# Altium PCB LimeSDR-XTRX_1v1.PcbDoc (part 7 of 8)
Units mm, origin at the board's own origin, x right, y up, seen from the top; angles counter-clockwise.
Board outline 50.8 x 29.7 mm, 8 copper layers (Top, L2, L3, L4, L5, L6, L7, Bottom), stack 0.925 mm thick; 536 components, 379 nets, 2133 pads, 899 vias.
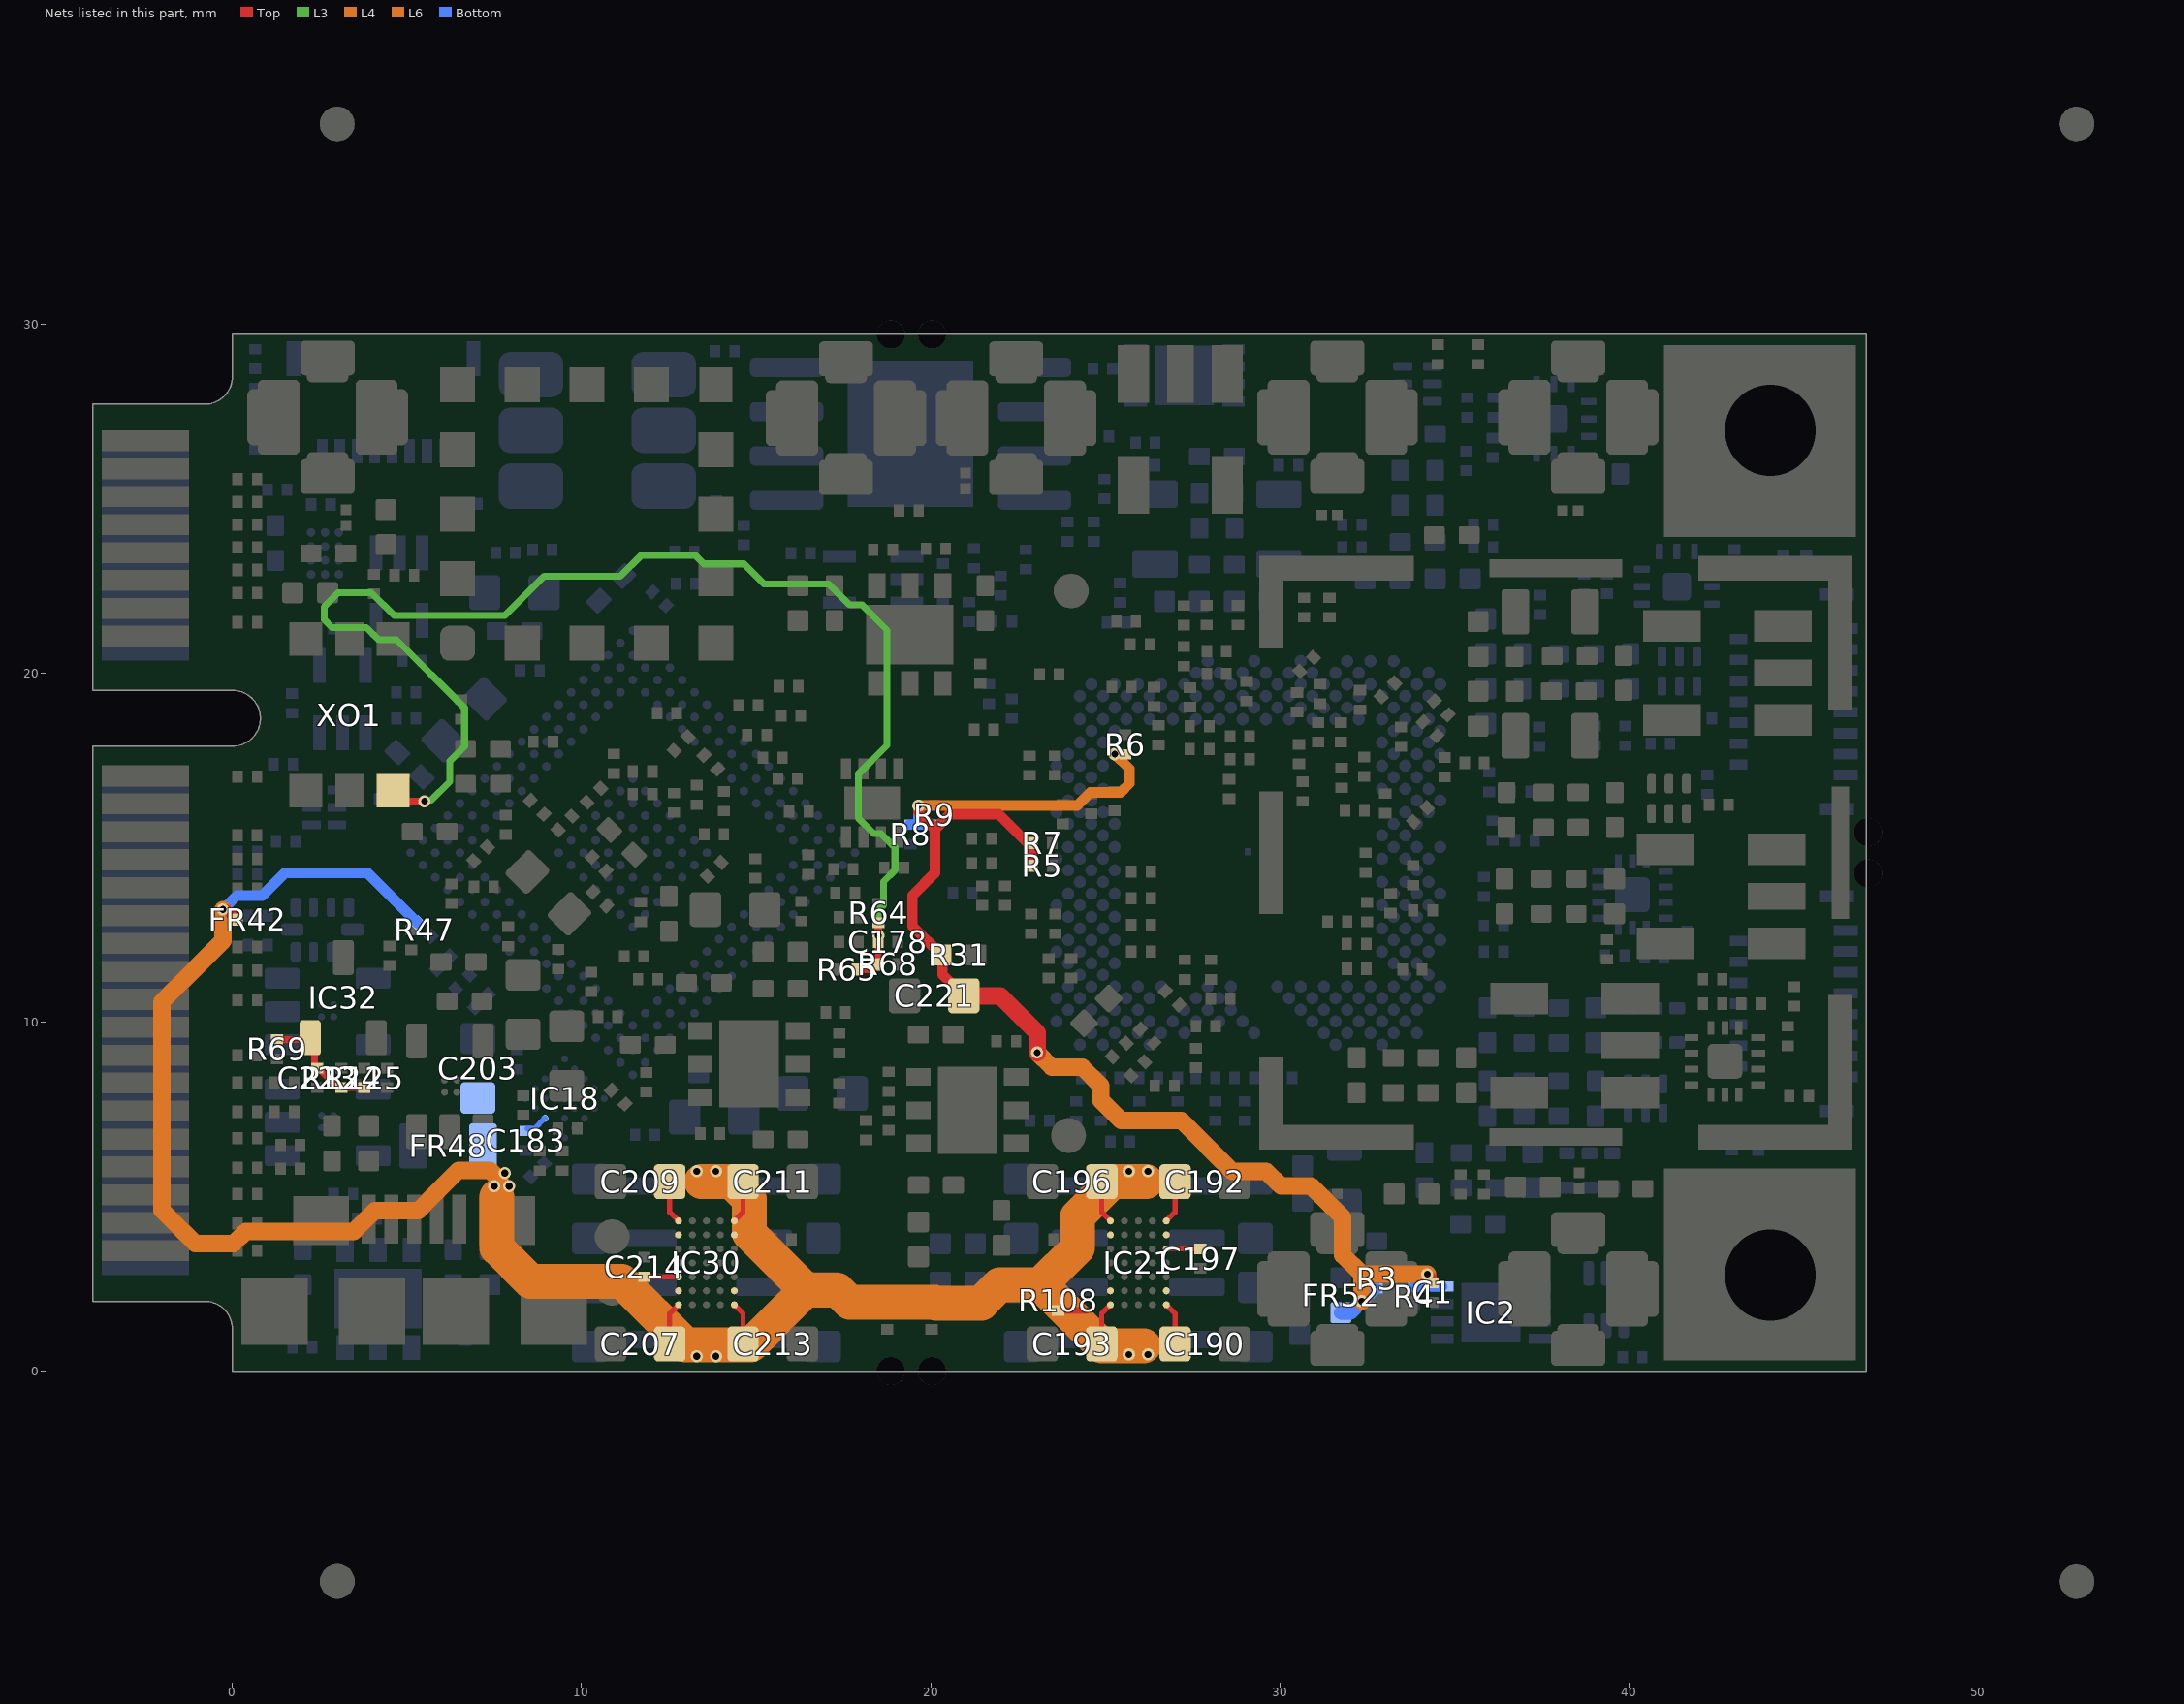
[diagram p13: the nets of this part, all layers, seen from the top]

## Via types
v1: diameter 0.35, hole 0.2, Top to Bottom, tented both sides, 751 vias
v2: diameter 0.35, hole 0.2, L5 to Bottom, tented both sides, 105 vias
v3: diameter 0.4, hole 0.2, Top to Bottom, tented both sides, 26 vias
v4: diameter 0.3, hole 0.15, L7 to Bottom, tented both sides, 13 vias
v5: diameter 0.5, hole 0.2, Top to Bottom, tented both sides, 4 vias

## Nets (pads, with @x,y where several pads share a name; then routed paths per layer and width w, separated by ;. In a path a pad name is that pad's centre, name@x,y a point inside that pad or via, vN(x,y) a via of type N, cw(c..) or ccw(c..) an arc to the next point about the centre after c; other vN are vias at no path point) (continued)
VCC_EXT: C183.1 C190.2 C192.2 C193.2 C196.2 C197.1 C203.2 C207.2 C209.2 C211.2 C213.2 C214.1 FR42.1 FR48.2 IC18.C1 IC21.A1 IC21.A5 IC21.B1 IC21.B5 IC21.E1 IC21.F1 IC21.F5 IC21.G1 IC21.G5 IC30.A1 IC30.A5 IC30.B1 IC30.B5 IC30.E1 IC30.F1 IC30.F5 IC30.G1 IC30.G5 R47.2 R108.1 | length 73.3
  Top w0.15: C214.1@11.8,2.7 IC30.E1@12.775,2.7 ; C207.2@12.525,0.775 12.525,1.65 IC30.G1@12.775,1.9 ; C209.2@12.525,5.425 12.525,4.55 IC30.A1@12.775,4.3 ; IC30.G5@14.375,1.9 14.625,1.65 C213.2@14.625,0.775 ; IC30.A5@14.375,4.3 14.625,4.55 C211.2@14.625,5.425 ; C193.2@24.9,0.775 24.9,1.65 IC21.A5@25.15,1.9 ; C196.2@24.9,5.425 24.9,4.55 IC21.G5@25.15,4.3 ; IC21.A1@26.75,1.9 27,1.65 C190.2@27,0.775 ; IC21.E1@26.75,3.5 C197.1@27.725,3.5 ; IC21.G1@26.75,4.3 27,4.55 C192.2@27,5.425
  Top w0.2: R108.1@23.65,1.74 24.45,1.74
  Top w0.3: v1(-0.275,13.225) -0.28,13.22 -0.161,13.22 FR42.1@0.12,12.939
  L4 w1: 7.575,5 7.575,3.529 8.529,2.575 11.15,2.575 12.975,0.75 14.85,0.75 16.425,2.325 ; 13.425,5.425 14.3,5.425 14.8,4.925 14.8,3.95 16.425,2.325 ; 26.1,0.725 24.9,0.725 23.15,2.475 ; 26.175,5.425 25.2,5.425 24.2,4.425 24.2,3.525 23.15,2.475 ; 16.425,2.325 17.325,2.325 17.675,1.975 20.129,1.975 20.154,1.95 21.45,1.95 21.975,2.475 23.15,2.475
  L6 w0.5: v1(-0.275,13.225) -0.275,12.333 -2.025,10.583 -2.025,4.608 -1.067,3.65 0.025,3.65 0.375,4 3.475,4 4.075,4.6 5.317,4.6 6.467,5.75 7.375,5.75 7.65,5.475
  Bottom w0.15: C183.1@8.44,6.945 8.653,6.945 IC18.C1@8.951,7.243
  Bottom w0.3: v1(-0.275,13.225) 0.125,13.625 0.85,13.625 1.5,14.275 3.86,14.275 R47.2@5.293,12.842
  other v1: 13.3,0.425 13.85,0.425 25.675,0.475 26.225,0.475 7.5,5.3 7.925,5.3 7.8,5.675 13.3,5.725 13.85,5.725 25.675,5.725 26.225,5.725
VCC_VREF_DAC: C223.1 IC32.1 R69.2 R124.1 R125.1 | length 3.6
  Top w0.2: R69.2@1.275,9.505 1.28,9.5 2.225,9.5 2.35,9.375 2.35,8.73 2.4,8.68 C223.1@2.425,8.68 2.475,8.63 2.523,8.63 3.033,8.12 R124.1@3.125,8.12 R125.1@3.85,8.12 ; R124.1@3.125,8.17 R124.1@3.175,8.12
VDIO_LMS: C1.1 C221.2 FR52.2 IC2.8 R3.2 R4.2 R5.1 R6.2 R7.2 R8.2 R9.2 R31.1 | length 40.6
  Top w0.3: v1(19.65,16.2) 19.65,16 20.123,15.527 ; C221.2@20.95,10.75 20.95,10.8 20.65,11.1 20.6,11.1 20.338,11.362 20.338,11.887 R31.1@20.3,11.925 19.475,12.75 19.475,13.625 20.123,14.273 20.123,15.477 20.123,15.527 ; R5.1@22.92,14.475 22.92,15.105 22.795,15.105 21.95,15.95 20.546,15.95 20.123,15.527 ; v1(25.27,17.676) 25.277,17.67 R6.2@25.575,17.67 ; v1@34.25,2.775 34.25,2.761 34.35,2.661 34.35,2.53 C1.1@34.375,2.53
  Top w0.5: C221.2@20.95,10.75 21.997,10.75 23.05,9.697 v1(23.05,9.125)
  L4 w0.3: v1(19.65,16.2) 24.2,16.2 24.575,16.575 25.436,16.575 25.695,16.834 25.695,17.251 v1(25.27,17.676)
  L6 w0.5: v1(23.05,9.125) 23.475,8.7 24.35,8.7 24.875,8.175 24.875,7.758 25.458,7.175 27.183,7.175 28.633,5.725 29.608,5.725 30.033,5.3 30.9,5.3 31.8,4.4 31.8,3.325 32.35,2.775 ; v2(32.35,2) 32.35,2.775 ; v1(34.225,2.775) 32.35,2.775
  Bottom w0.3: R8.2@19.4,15.655 R8.2@19.425,15.655 R9.2@20.05,15.655 ; 19.625,15.68 19.625,15.705 ; 19.65,15.705 v1(19.65,16.2) ; v2(32.35,2) 32.405,2 R3.2@32.775,2.37 ; R4.2@33.85,2.43 34.21,2.43 ; 34.21,2.425 34.21,2.43 ; v1@34.21,2.765 34.21,2.43 ; 34.22,2.43 34.21,2.43 ; 34.28,2.425 IC2.8@34.65,2.425
  Bottom w0.4: FR52.2@31.75,1.675 32.025,1.675 v2(32.35,2)
XO_VC: C178.1 R64.2 R65.2 R68.1 XO1.1 | length 39.4
  Top w0.2: XO1.1@4.625,16.325 v1(5.5,16.325) ; R65.2@17.88,11.5 18.325,11.5 18.495,11.67 18.495,12.2 18.5,12.205 v1(18.5,12.475) R64.2@18.5,12.845
  L3 w0.2: v1(5.5,16.325) 5.529,16.354 5.693,16.354 6.225,16.886 6.225,17.475 6.65,17.9 6.65,19 4.7,20.95 4.189,20.95 3.839,21.3 2.85,21.3 2.625,21.525 2.625,21.9 3.025,22.3 3.975,22.3 4.625,21.65 7.805,21.65 8.93,22.775 11.113,22.775 11.713,23.375 13.25,23.375 13.5,23.125 14.655,23.125 15.23,22.55 17.075,22.55 17.675,21.95 18.03,21.95 18.75,21.23 18.75,17.925 17.925,17.1 17.925,15.845 18.37,15.4 18.575,15.4 18.975,15 18.975,14.35 18.65,14.025 18.65,13.35 18.5,13.2 v1(18.5,12.475)
pads on no net: C21.0 C22.0 C23.0 C24.0 C107.0 C110.0 C113.0 C116.0 C117.0 C118.0 C123.0 C124.0 C125.0 C127.0 C128.0 C133.0 C134.0 C139.0 C140.0 C141.0 C142.0 C143.0 C148.0 C149.0 C154.0 C155.0 C167.0 C175.0 C182.0 C188.0 C189.0 C190.0 C191.0 C192.0 C193.0 C195.0 C196.0 C198.0 C199.0 C200.0 C201.0 C202.0 C203.0 C205.0 C206.0 C207.0 C208.0 C209.0 C211.0 C212.0 C213.0 C215.0 C216.0 C217.0 C218.0 C220.0 C221.0 F1.1 F2.1 F3.1 F4.1 F5.1 F6.1 F7.1 F8.1 FL1.1 FL2.1 FR38.0 FR41.0 FR43.0 FR44.0 FR45.0 FR46.0 FR47.0 FR48.0 FR49.0 FR50.0 FR51.0 FR52.0 IC1.A5 IC1.A21 IC1.AA5 IC1.AB2 IC1.AB4 IC1.AB6 IC1.AC3 IC1.AC5 IC1.AD2 IC1.AE1 IC1.AE5 IC1.AG3 IC1.AG33 IC1.AH2 IC1.AH4 IC1.AH32 IC1.AJ1 IC1.AJ3 IC1.AJ5 IC1.AJ11 IC1.AJ13 IC1.AJ21 IC1.AJ27 IC1.AJ29 IC1.AJ31 IC1.AJ33 IC1.AK2 IC1.AK4 IC1.AK6 IC1.AK8 IC1.AK10 IC1.AK26 IC1.AK28 IC1.AK30 IC1.AK32 IC1.AK34 IC1.AL3 IC1.AL5 IC1.AL7 IC1.AL9 IC1.AL11 IC1.AL27 IC1.AL29 IC1.AL31 IC1.AL33 IC1.AM6 IC1.AM10 IC1.AM28 IC1.AM30 IC1.AM34 IC1.AN27 IC1.AN29 IC1.AN31 IC1.AP30 IC1.AP32 IC1.B2 IC1.B4 IC1.C1 IC1.C3 IC1.C5 IC1.C9 IC1.C13 IC1.C15 IC1.C17 IC1.C19 IC1.C31 IC1.D2 IC1.D4 IC1.D8 IC1.D10 IC1.D12 IC1.D14 IC1.D18 IC1.D22 IC1.D30 IC1.D32 IC1.E3 IC1.E9 IC1.E11 IC1.E13 IC1.E15 IC1.E23 IC1.E29 IC1.E31 IC1.F2 IC1.F4 IC1.F10 IC1.F12 IC1.F14 IC1.F16 IC1.F22 IC1.F26 IC1.F32 IC1.G1 IC1.G29 IC1.J1 IC1.M2 IC1.M6 IC1.Y6 IC3.1 IC3.8 IC3.10 IC3.11 IC3.12 IC3.14 IC4.1 IC4.8 IC4.10 IC4.11 IC4.12 IC4.14 IC7.A11 IC7.B11 IC7.V13 IC8.3 IC10.11 IC10.12 IC19.7 IC19.9 IC21.D2 IC24.0 IC24.4 IC26.0 IC26.4 IC29.0 IC29.4 IC30.D2 IC32.0 L1.0 MN1.0 MN2.0 MN3.0 MN4.0 MN5.0 MN6.0 MN7.0 MN8.0 MN9.0 MN10.0 MN11.0 MN12.0 MN13.0 MN14.0 MN15.0 MN16.0 MN17.0 MN18.0 MN19.0 MN20.0 MN21.0 MN22.0 MN23.0 MN24.0 MN25.0 MN26.0 MN27.0 MN28.0 MN29.0 MN30.0 MN31.0 MN32.0 MN33.0 MN34.0 MN35.0 MN36.0 MN37.0 MN38.0 MN39.0 MN40.0 MN41.0 MN42.0 MN43.0 MN44.0 MN45.0 MN46.0 MN47.0 MN48.0 MN49.0 MN50.0 MN51.0 MN52.0 MN53.0 MN54.0 R27.0 R31.0 T1.6 T2.6 T3.2 T4.2 T5.5 T5.6 T6.5 T6.6 T7.6 T8.6 T9.2 T10.2 X10.1 X10.6 X10.16 X10.24 X10.28 X10.48 X11.4 XO1.3

## Polygon pours and split planes (outlines as drawn)
GND on Top "GND_L01_P022" (solid, remove dead copper, pour order 22): -4,2 -4,17.9 0,17.9 ccw(c0,18.7) 0,19.5 -4,19.5 -4,27.7 -0.8,27.7 ccw(c-0.8,28.5) 0,28.5 0,29.7 46.8,29.7 46.8,0 0,0 0,1.2 ccw(c-0.8,1.2) -0.8,2
GND on Top "GND_L01_P007" (solid, remove dead copper, pour order 7): -4,2 -4,17.9 0,17.9 ccw(c0,18.7) 0,19.5 -4,19.5 -4,27.7 -0.8,27.7 ccw(c-0.8,28.5) 0,28.5 0,29.7 46.8,29.7 46.8,0 0,0 0,1.2 ccw(c-0.8,1.2) -0.8,2
GND on L3 "GND_L03_P008" (solid, remove dead copper, pour order 8): -4,2 -4,17.9 0,17.9 ccw(c0,18.7) 0,19.5 -4,19.5 -4,27.7 -0.8,27.7 ccw(c-0.8,28.5) 0,28.5 0,29.7 46.8,29.7 46.8,0 0,0 0,1.2 ccw(c-0.8,1.2) -0.8,2
+1.5V on L3 "+1.5V_L03_P006" (solid, remove dead copper, pour order 6): 8.8,1.1 9.6,1.9 11.175,1.9 12.875,3.6 12.875,4.575 13.025,4.725 14.05,4.725 15.85,2.925 17.85,2.925 18.6,3.675 18.6,4.85 18.35,5.1 17.675,5.1 17.3,4.725 16.75,4.725 14.8,6.675 12.8,6.675 11.625,5.5 11.625,4.725 9.925,3.025 7.8,3.025 7.175,2.4 7.175,1.45 7.525,1.1
VCC1P0_INT on L3 "VCC1P0_INT_L03_P005" (solid, remove dead copper, pour order 5): 19.5,0.525 19.375,0.65 19.375,1.1 20.975,2.7 20.975,3.35 13.75,10.575 12.4,10.575 10.15,12.825 10.15,14.24 12.085,16.175 13.875,16.175 18.925,11.125 22.575,7.475 22.575,2 21.1,0.525
VCC1P0_INT on L3 "VCC1P0_INT_L03_P004" (solid, remove dead copper, pour order 4): 20.025,0.75
GND on L6 "GND_L06_P024" (solid, remove dead copper, pour order 24): -4,2 -4,17.9 0,17.9 ccw(c0,18.7) 0,19.5 -4,19.5 -4,27.7 -0.8,27.7 ccw(c-0.8,28.5) 0,28.5 0,29.7 46.8,29.7 46.8,0 0,0 0,1.2 ccw(c-0.8,1.2) -0.8,2
+2.05V on L6 "+2.05V_L06_P000" (solid, remove dead copper, pour order 0): 15.125,0.225 16.9,2 22.625,2 25.475,4.85 26.525,4.85 30.775,0.6 34.075,0.6 34.3,0.825 34.3,1.875 30.175,6 28.275,6 27.075,7.2 23.875,7.2 21,4.325 16.338,4.325 16.094,4.081 14.45,2.437 9.237,2.437 7.925,1.125 7.925,0.6 8.275,0.225
GND on L4 "GND_L04_P016" (solid, remove dead copper, pour order 16): -4,2 -4,17.9 0,17.9 ccw(c0,18.7) 0,19.5 -4,19.5 -4,27.7 -0.8,27.7 ccw(c-0.8,28.5) 0,28.5 0,29.7 46.8,29.7 46.8,0 0,0 0,1.2 ccw(c-0.8,1.2) -0.8,2
VCC1P2_MGTAVTT on L4 "VCC1P2_MGTAVTT_L04_P002" (solid, remove dead copper, pour order 2): 21.15,6.15 21.15,7.4 18,10.55 12.675,10.55 10.76,12.465 10.76,14.143 9.944,14.958 6.958,14.958 5.85,13.85 5.85,12.825 10.375,8.3 11.3,8.3 16.602,8.3 19.252,5.65 20.65,5.65
GND on L2 "GND_L02_P010" (solid, remove dead copper, pour order 10): -4,2 -4,17.9 0,17.9 ccw(c0,18.7) 0,19.5 -4,19.5 -4,27.7 -0.8,27.7 ccw(c-0.8,28.5) 0,28.5 0,29.7 46.8,29.7 46.8,0 0,0 0,1.2 ccw(c-0.8,1.2) -0.8,2
GND on L7 "GND_L07_P012" (solid, remove dead copper, pour order 12): -4,2 -4,17.9 0,17.9 ccw(c0,18.7) 0,19.5 -4,19.5 -4,27.7 -0.8,27.7 ccw(c-0.8,28.5) 0,28.5 0,29.7 46.8,29.7 46.8,0 0,0 0,1.2 ccw(c-0.8,1.2) -0.8,2
GND on L5 "GND_L05_P014" (solid, remove dead copper, pour order 14): -4,2 -4,17.9 0,17.9 ccw(c0,18.7) 0,19.5 -4,19.5 -4,27.7 -0.8,27.7 ccw(c-0.8,28.5) 0,28.5 0,29.7 46.8,29.7 46.8,0 0,0 0,1.2 ccw(c-0.8,1.2) -0.8,2
GND on Bottom "GND_L08_P018" (solid, remove dead copper, pour order 18): -4,2 -4,17.9 0,17.9 ccw(c0,18.7) 0,19.5 -4,19.5 -4,27.7 -0.8,27.7 ccw(c-0.8,28.5) 0,28.5 0,29.7 46.8,29.7 46.8,0 0,0 0,1.2 ccw(c-0.8,1.2) -0.8,2

## Other copper
Top:
  pour cut-out: 30.425,5.4 30.425,2.825 32.875,2.825 32.875,4.15 cw(c33.2,4.15) 33.2,4.475 33.525,4.475 ccw(c33.525,4.725) 33.775,4.725 33.775,5.425 ccw(c33.475,5.425) 33.475,5.725 30.75,5.725 ccw(c30.75,5.4)
  pour cut-out: 43.25,8.3 44.75,8.3 ccw(c44.75,9.325) 45.775,9.325 45.775,15.725 ccw(c44.275,15.725) 44.275,17.225 41.3,17.225 41.3,16.375 44,16.375 cw(c44,15.325) 45.05,15.325 45.05,9.775 cw(c44.75,9.775) 44.75,9.475 43.25,9.475
  pour cut-out: 39.8,2.95 39.8,4.075 cw(c40.275,4.075) 40.275,4.55 40.55,4.55 ccw(c40.55,5.975) 41.975,5.975 41.975,7.125 cw(c42.05,7.125) 42.05,7.2 42.75,7.2 ccw(c42.75,7.5) 43.05,7.5 43.05,8.375 42.375,8.375 cw(c42.375,8.5) 42.25,8.5 42.25,9.225 ccw(c42.025,9.225) 42.025,9.45 41.2,9.45 ccw(c41.2,9.125) 40.875,9.125 40.875,7.372 cw(c40.278,7.372) 40.7,6.95 40.064,6.314 cw(c38.763,7.616) 38.763,5.775 37.2,5.775 ccw(c37.2,5.625) 37.05,5.625 37.05,2.95
  pour cut-out: 29.675,11.4 29.675,10.675 ccw(c30.025,10.675) 30.025,10.325 cw(c30.025,9) 31.35,9 31.35,8.05 ccw(c32,8.05) 32,7.4 38.025,7.4 38.025,11.375 36.425,11.375 cw(c36.425,11.7) 36.1,11.7 36.1,12.3 cw(c36.375,12.3) 36.375,12.575 39.45,12.575 cw(c39.45,12.3) 39.725,12.3 39.725,12 ccw(c40.2,12) 40.2,11.525 45.25,11.525 45.25,13.825 43.025,13.825 cw(c43.025,14.5) 42.35,14.5 42.35,15.2 ccw(c42,15.2) 42,15.55 41,15.55 41,17.2 36.275,17.2 ccw(c36.275,15.65) 34.725,15.65 34.725,11.625 cw(c34.4,11.625) 34.4,11.3 31.741,11.3 cw(c31.741,11.641) 31.5,11.4 ccw(c31.198,11.098) 31.198,11.525 29.8,11.525 ccw(c29.8,11.4)
  pour cut-out: 31.325,20.575 31.325,20.05 ccw(c31.725,20.05) 31.725,19.65 32.049,19.65 ccw(c32.049,21.101) 33.075,20.075 33.243,20.243 cw(c33.725,19.761) 33.725,20.443 33.782,20.443 cw(c33.782,20.225) 34,20.225 ccw(c35.05,20.225) 35.05,19.175 38.787,19.175 cw(c38.787,18.312) 39.65,18.312 ccw(c40.162,18.312) 40.162,17.8 41.85,17.8 ccw(c41.85,18.425) 42.475,18.425 42.475,20 cw(c43.15,20) 43.15,20.675 45.625,20.675 45.625,23.071 41.875,23.071 41.875,23.35 ccw(c41.55,23.35) 41.55,23.675 41.35,23.675 ccw(c41.35,23.225) 40.9,23.225 40.9,22.8 cw(c40.375,22.8) 40.375,22.275 ccw(c40.375,21.9) 40,21.9 40,21.675 cw(c39.325,21.675) 39.325,21 35.5,21 cw(c35.5,21.175) 35.325,21.175 ccw(c34.825,21.175) 34.825,21.675 33.386,21.675 ccw(c33.386,20.139) 32.3,21.225 31.991,20.916 cw(c31.65,21.258) 31.65,20.775 31.525,20.775 ccw(c31.525,20.575)
  pour cut-out: 31.35,24.25 ccw(c32.1,24.25) 32.1,23.5 39.65,23.5 ccw(c39.65,23.8) 39.95,23.8 39.95,26.9 37.225,26.9 37.225,25 38.05,25 cw(c38.05,24.8) 38.25,24.8 38.25,24.425 cw(c38.15,24.425) 38.15,24.325 32.925,24.325 cw(c32.925,24.6) 32.65,24.6 32.65,26.825 30.55,26.825 30.55,24.9 31.125,24.9 cw(c31.125,24.675) 31.35,24.675
  pour cut-out: 24.9,27.075 24.9,24.325 ccw(c25.4,24.325) 25.4,23.825 28.975,23.825 ccw(c28.975,24.2) 29.35,24.2 29.35,28.25 cw(c29.95,28.25) 29.95,28.85 30.625,28.85 ccw(c30.625,29.1) 30.875,29.1 30.875,29.4 ccw(c30.575,29.4) 30.575,29.7 27.825,29.7 ccw(c27.825,29.4) 27.525,29.4 27.525,27.775 cw(c27.425,27.775) 27.425,27.675 25.5,27.675 ccw(c25.5,27.075)
  pour cut-out: 3.4,24.375 5.425,24.375 cw(c5.425,24.15) 5.65,24.15 ccw(c6.05,24.15) 6.05,23.75 7.05,23.75 7.05,25.175 4,25.175 cw(c4,25.45) 3.725,25.45 3.725,26.975 1.675,26.975 1.675,25.55 ccw(c2.85,25.55) 2.85,24.375
  region net VCC_EXT: 26.65,3.825 26.65,3.5 27.75,3.5 27.9,3.65 27.9,3.825 27.625,4.1 26.95,4.1 26.75,3.9
  region net VCC_EXT: 12.875,2.375 12.875,2.7 11.775,2.7 11.625,2.55 11.625,2.375 11.9,2.1 12.575,2.1 12.775,2.3
  region net VCC3P3_GNSS: 2.5,22.6 2.575,22.6 2.95,22.975 2.95,23.325 3.3,23.675 3.525,23.675 3.65,23.55 3.65,22.625 3.825,22.45 3.825,22.225 3.8,22.2 2.525,22.2 2.425,22.3 2.425,22.525
  region net GND: 37.691,24.325 37.691,24.523 37.973,24.523 38.225,24.775 38.225,24.5 38.05,24.325
  region net NetC199_2: 17.95,6.775 17.95,6.4 19.088,5.262 19.088,4.188 19.3,3.975 19.95,3.975 19.95,6.35 19.675,6.625 18.575,6.625 18.425,6.775
  region net VCC1P4_LMS: 18.3,9.525 18,9.225 18,7.825 17.95,7.775 17.95,7.075 18,7.025 18.325,7.025 18.525,7.225 18.525,8.225 18.8,8.5 18.8,9.025
  region net VCC3P3: 7.5,16.475 8.62,16.475 8.62,18.055 8.45,18.225 7.55,18.225 7.375,18.05 7.375,16.6
  region net GND: 7.725,10.1 7.65,10.175 6.725,10.175 6.65,10.25 6.65,10.95 6.825,11.125 7.434,11.125 7.575,10.984 7.725,10.984
  region net GND: 12.027,17.248 12.715,16.56 12.47,16.56 12.174,16.264 12.027,16.411
  pour cut-out: 38.95,11.3 38.95,9.5 41.35,9.5 41.35,11.3
  region net VCC1P0_INT: 8.825,11.425 8.825,11.65 9.075,11.9 9.55,11.9 10.075,12.425 10.075,13.4 9.316,13.4 9,13.084 9,12.525 8.325,11.85 8.325,11.35 8.75,11.35
  region net VCC3P3: 14.375,14.1 13.875,14.1 13.65,14.325 13.525,14.325 13.275,14.075 13.325,14.025 13.325,13.75 14.025,13.75
  region net VCC3P3: 14.4,14.1
  region net GND: 11.275,4.825 10.025,4.825 9.8,5.05 9.8,5.2 9.725,5.275 9.35,5.275 9.003,5.622 9.307,5.925 10.775,5.925 11.275,5.425
  region net GND: 23.65,0.175 22.475,0.175 22.2,0.45 22.2,1.375 22.35,1.525 23.219,1.525 23.369,1.375 23.65,1.375
  region net GND: 22.975,4.3 23.178,4.503 23.4,4.503 23.4,4.575 23.65,4.825 23.65,5.925 22.825,5.925 21.675,4.775 21.675,4.3
  region net GND: 15.875,4.825 17.4,4.825 17.4,5.775 17.15,6.025 15.875,6.025
  region net VCC3P3: 11.218,11.893 11.55,12.225 11.875,12.55 11.875,12.875 11.65,13.1 11.131,13.1 10.775,12.744 10.775,12.25 11.15,11.875 11.22,11.875
  region net NetC216_2: 16.55,9.5 17.15,10.1 17.15,10.45 16.263,10.45 16.2,10.387 16.2,9.725 16.425,9.5
  region net VCC3P3: 10.8,8.05 10.725,8.125 10.725,9.075 11.25,9.6 12,9.6 12,8.555 11.555,8.555 11.275,8.275 11.275,8.15 11.175,8.05
  region net GND: 18.14,23.325
  region net GND: 17.525,23.25 17.75,23.025 18.45,23.025 18.6,23.175 18.6,23.625 18.45,23.775 17.675,23.775 17.525,23.625
  region net VCC1P0_INT: 12.475,16.15 11.625,15.3 12.15,15.3 12.425,15.025 12.725,15.025 13.075,15.375 13.075,15.775 12.7,16.15
  region net VCC5P0_USB: 6.725,7.262 6.963,7.5 7.45,7.5 7.675,7.275 7.675,7.175 7.5,7 6.95,7 6.725,7.225
  region net VCC5P0_USB: 6.725,7.262
  region net +1.75V: 18.35,2.175 18.1,2.175 17.85,2.425 17.85,2.875 18.05,3.075 18.8,3.075 18.8,2.625
  region net VCC1P8_LMS: 39.1,17.55 39.325,17.775 39.525,17.775 39.65,17.9 39.65,18.725 39.525,18.85 38.525,18.85 38.35,18.675 38.35,17.85 38.65,17.55
  region net VCC1P8_LMS: 38.35,21 39.325,21 39.75,21.425 39.75,22.325 39.675,22.4 39.275,22.4 38.925,22.4 38.925,22.325 38.35,21.75
  region net GND: 28.25,0.175 29.45,0.175 29.875,0.6 29.875,1.425 29.6,1.7 28.991,1.7 28.7,1.409 28.7,0.775 28.25,0.775
  region net GND: 15.875,0.175 16.95,0.175 17.5,0.725 17.5,1.25 17.3,1.45 15.95,1.45 15.875,1.375
  region net VCC3P3: 11.975,13.9 12.15,13.725 12.15,13.3 12.35,13.1 12.775,13.1 13.15,12.725 13.75,12.725 14.4,13.375 14.4,14.1 13.529,14.1 13.454,14.175 13.1,14.175 12.875,14.4 12.075,14.4 11.975,14.3
  region net VCC3P3_CLK: 15.868,6.635 15.868,6.425 16.068,6.225 17.05,6.225 17.375,6.55 17.375,7.825 16.825,7.825 16.5,8.15 15.868,8.15 15.818,8.1 15.818,6.475 16.068,6.225
  pour cut-out: -3.575,27.7 -1.15,27.7 -1.15,19.5 -3.575,19.5
  pour cut-out: -3.575,2 -1.15,2 -1.15,17.9 -3.575,17.9
  region net VCC1P4_LMS: 18.915,8.425 19.215,8.125 19.95,8.125 20,8.175 20,9.932 19.946,9.986 18.761,9.986 18.3,9.525 18.3,8.425
  region net +2.05V: 16.55,21.8 16.55,20.975 16.3,20.725 15.5,20.725 15.35,20.875 15.35,21.675 15.475,21.8
  region net +1.75V: 19.975,3.525 19.975,2.45 19.7,2.175 18.35,2.175 18.275,2.25 18.275,2.925 18.425,3.075 18.8,3.075 19.3,3.575 19.925,3.575
  region net NetC202_2: 6.45,9.562 5.75,8.862 5.112,8.862 4.65,9.325 4.65,10.15 4.85,10.35 5.4,10.35 5.9,10.85 6.45,10.85
  region net NetC205_2: 19.275,24.15 19.05,23.925 17.625,23.925 17.4,23.7 17.4,23.075 17.85,22.625 17.85,22.5 15.925,22.5 16.4,22.975 16.4,24.025 17.25,24.875 19.2,24.875 19.275,24.8
  region net VCC1P8_LMS: 20.175,23.75 19.9,24.025 19.5,24.425 19.5,24.9 19.6,25 21.15,25 21.915,24.235 21.915,22.145 20.08,22.145 20.05,22.175 20.05,23.05 20.175,23.175
  region net VCC5P0_USB: 2.725,6.525 4.313,6.525 5.324,5.513 5.4,5.513 5.45,8.087 5.162,8.087 4.6,7.525 2.675,7.525 2.5,7.35 2.5,6.75
  region net NetC35_1: 25.27,13.68
  region net VCC1P4_LMS: 19.65,8.425
  region net VCC1P8_LMS: 20.35,22.5
  region: 16.2,7.85
  region net VCC_EXT: 13.3,6.025 14.325,6.025 14.325,5.55 14.175,5.4 14.175,4.925 13.3,4.925
  region net VCC_EXT: 13.85,6.025 12.825,6.025 12.825,5.55 12.975,5.4 12.975,4.925 13.85,4.925
  region net VCC_EXT: 13.85,0.175 12.825,0.175 12.825,0.65 12.975,0.8 12.975,1.275 13.85,1.275
  region net VCC_EXT: 13.3,0.175 14.325,0.175 14.325,0.65 14.175,0.8 14.175,1.275 13.3,1.275
  region net NetIC30_A4: 14.075,4.725 14.175,4.625 14.175,3.85 14.1,3.775 13.975,3.775 13.85,3.9 13.85,4.6 13.975,4.725
  region net NetIC30_F4: 14.075,1.475 14.175,1.575 14.175,2.35 14.1,2.425 13.975,2.425 13.85,2.3 13.85,1.6 13.975,1.475
  region net NetIC30_F2: 13.075,1.475 12.975,1.575 12.975,2.35 13.05,2.425 13.175,2.425 13.3,2.3 13.3,1.6 13.175,1.475
  region net NetIC30_A2: 13.075,4.725 12.975,4.625 12.975,3.85 13.05,3.775 13.175,3.775 13.3,3.9 13.3,4.6 13.175,4.725
  region net VCC_EXT: 14.275,1.375 14.175,1.275 14.175,0.325 14.325,0.175 15.075,0.175 15.25,0.35 15.25,2.1 14.925,2.425 14.325,2.425 14.275,2.375
  region net VCC_EXT: 14.275,4.825 14.175,4.925 14.175,5.875 14.325,6.025 15.075,6.025 15.25,5.85 15.25,4.1 14.925,3.775 14.325,3.775 14.275,3.825
  region net VCC_EXT: 12.875,4.825 12.975,4.925 12.975,5.875 12.825,6.025 12.075,6.025 11.9,5.85 11.9,4.1 12.225,3.775 12.825,3.775 12.875,3.825
  region net VCC_EXT: 12.875,1.375 12.975,1.275 12.975,0.325 12.825,0.175 12.075,0.175 11.9,0.35 11.9,2.1 12.225,2.425 12.825,2.425 12.875,2.375
  region net VCC5P0_USB: 5.9,8.087 5.45,8.087 4.95,7.587 4.95,5.962 5.4,5.512 7.263,5.513 7.55,5.8 7.55,7.312 7.425,7.437 6.9,7.437 6.725,7.262 6.725,6.337 6.575,6.187 5.875,6.187 5.725,6.337 5.725,7.362 5.95,7.587 6.275,7.587 6.525,7.837 6.525,8.038 6.475,8.087
  region net NetC202_2: 4.925,8.862 5.55,8.237 6.1,8.237 6.175,8.312 6.175,9.287 5.5,9.962 4.975,9.962 4.925,9.912
  region net VCC_EXT: 26.65,4.825 26.55,4.925 26.55,5.875 26.7,6.025 27.45,6.025 27.625,5.85 27.625,4.1 27.3,3.775 26.7,3.775 26.65,3.825
  region net VCC_EXT: 26.65,1.375 26.55,1.275 26.55,0.325 26.7,0.175 27.45,0.175 27.625,0.35 27.625,2.1 27.3,2.425 26.7,2.425 26.65,2.375
  region net VCC_EXT: 25.25,1.375 25.35,1.275 25.35,0.325 25.2,0.175 24.45,0.175 24.275,0.35 24.275,2.1 24.6,2.425 25.2,2.425 25.25,2.375
  region net VCC_EXT: 25.25,4.825 25.35,4.925 25.35,5.875 25.2,6.025 24.45,6.025 24.275,5.85 24.275,4.1 24.6,3.775 25.2,3.775 25.25,3.825
  region net NetIC21_A2: 26.45,1.475 26.55,1.575 26.55,2.35 26.475,2.425 26.35,2.425 26.225,2.3 26.225,1.6 26.35,1.475
  region net NetIC21_F2: 26.45,4.725 26.55,4.625 26.55,3.85 26.475,3.775 26.35,3.775 26.225,3.9 26.225,4.6 26.35,4.725
  region net NetIC21_F4: 25.45,4.725 25.35,4.625 25.35,3.85 25.425,3.775 25.55,3.775 25.675,3.9 25.675,4.6 25.55,4.725
  region net NetIC21_A4: 25.45,1.475 25.35,1.575 25.35,2.35 25.425,2.425 25.55,2.425 25.675,2.3 25.675,1.6 25.55,1.475
  region net VCC_EXT: 26.225,6.025 25.2,6.025 25.2,5.55 25.35,5.4 25.35,4.925 26.225,4.925
  region net VCC_EXT: 25.675,6.025 26.7,6.025 26.7,5.55 26.55,5.4 26.55,4.925 25.675,4.925
  region net VCC_EXT: 25.675,0.175 26.7,0.175 26.7,0.65 26.55,0.8 26.55,1.275 25.675,1.275
  region net VCC_EXT: 26.225,0.175 25.2,0.175 25.2,0.65 25.35,0.8 25.35,1.275 26.225,1.275
L2:
  pour cut-out: 34.725,23.7 34.125,23.7 34.125,24.2 34.725,24.2
  pour cut-out: 35.725,23.7 35.125,23.7 35.125,24.2 35.725,24.2
  pour cut-out: 40.7,4.975 40.1,4.975 40.1,5.475 40.7,5.475
  pour cut-out: 39.7,4.975 39.1,4.975 39.1,5.475 39.7,5.475
  pour cut-out: 33.575,4.775 32.975,4.775 32.975,5.375 33.575,5.375
  pour cut-out: 38.05,4.975 37.45,4.975 37.45,5.575 38.05,5.575
  pour cut-out: 32.46,7.665 31.935,7.665 31.935,8.29 32.46,8.29
  pour cut-out: 32.94,7.715 32.94,8.24 33.565,8.24 33.565,7.715
  pour cut-out: 32.94,8.715 32.94,9.24 33.565,9.24 33.565,8.715
  pour cut-out: 35.662,7.665 35.035,7.665 35.035,8.29 35.662,8.29
  pour cut-out: 32.46,9.285 31.935,9.285 31.935,8.66 32.46,8.66
  pour cut-out: 35.662,9.285 35.035,9.285 35.035,8.66 35.662,8.66
  pour cut-out: 34.56,7.715 34.56,8.24 33.935,8.24 33.935,7.715
  pour cut-out: 34.56,8.715 34.56,9.24 33.935,9.24 33.935,8.715
  pour cut-out: 35.987,19.165 35.36,19.165 35.36,19.79 35.987,19.79
  pour cut-out: 35.987,20.785 35.36,20.785 35.36,20.16 35.987,20.16
  pour cut-out: 39.085,20.215 39.085,20.74 38.46,20.74 38.46,20.215
  pour cut-out: 39.085,19.215 39.085,19.74 38.46,19.74 38.46,19.215
  pour cut-out: 36.985,20.785 36.46,20.785 36.46,20.16 36.985,20.16
  pour cut-out: 37.465,20.215 37.465,20.74 38.09,20.74 38.09,20.215
  pour cut-out: 37.465,19.215 37.465,19.74 38.09,19.74 38.09,19.215
  pour cut-out: 36.985,19.165 36.46,19.165 36.46,19.79 36.985,19.79
  pour cut-out: 40.085,19.165 39.56,19.165 39.56,19.79 40.085,19.79
  pour cut-out: 40.085,20.785 39.56,20.785 39.56,20.16 40.085,20.16
  pour cut-out: 39.858,16.885 39.333,16.885 39.333,16.26 39.858,16.26
  pour cut-out: 39.858,15.265 39.333,15.265 39.333,15.89 39.858,15.89
  pour cut-out: 36.758,15.265 36.233,15.265 36.233,15.89 36.758,15.89
  pour cut-out: 37.238,15.315 37.238,15.84 37.863,15.84 37.863,15.315
  pour cut-out: 37.238,16.315 37.238,16.84 37.863,16.84 37.863,16.315
  pour cut-out: 36.758,16.885 36.233,16.885 36.233,16.26 36.758,16.26
  pour cut-out: 38.858,15.315 38.858,15.84 38.233,15.84 38.233,15.315
  pour cut-out: 38.858,16.315 38.858,16.84 38.233,16.84 38.233,16.315
  pour cut-out: 38.798,13.84 38.798,14.365 38.173,14.365 38.173,13.84
  pour cut-out: 38.798,12.84 38.798,13.365 38.173,13.365 38.173,12.84
  pour cut-out: 39.9,14.41 39.273,14.41 39.273,13.785 39.9,13.785
  pour cut-out: 36.698,14.41 36.173,14.41 36.173,13.785 36.698,13.785
  pour cut-out: 39.9,12.79 39.273,12.79 39.273,13.415 39.9,13.415
  pour cut-out: 37.178,13.84 37.178,14.365 37.803,14.365 37.803,13.84
  pour cut-out: 37.178,12.84 37.178,13.365 37.803,13.365 37.803,12.84
  pour cut-out: 36.698,12.79 36.173,12.79 36.173,13.415 36.698,13.415
  pour cut-out: 28.95,27.305 28.95,29.6 27.615,29.6 27.615,27.305
  pour cut-out: 26.675,24.125 26.675,26.205 24.925,26.205 24.925,24.125
  pour cut-out: 29.365,24.125 29.365,26.205 27.615,26.205 27.615,24.125
  pour cut-out: 38.78,9.8 40.86,9.8 40.86,11.55 38.78,11.55
  pour cut-out: 45.125,13.125 43.408,13.125 43.408,11.65 45.125,11.65
  pour cut-out: 45.675,22.215 43.595,22.215 43.595,20.465 45.675,20.465
  pour cut-out: 42.495,19.525 40.415,19.525 40.415,17.775 42.495,17.775
  pour cut-out: 42.15,22.025 40.415,22.025 40.415,20.465 42.3,20.465 42.3,21.875
  pour cut-out: 42.308,13.125 40.228,13.125 40.228,11.375 42.308,11.375
  pour cut-out: 42.308,15.575 40.228,15.575 40.228,14.065 42.308,14.065
  pour cut-out: 38.12,8.845 36.04,8.845 36.04,7.095 38.12,7.095
  pour cut-out: 38.12,11.54 36.04,11.54 36.04,9.79 38.12,9.79
  pour cut-out: 33.022,2.85 30.297,2.85 30.297,4.55 33.022,4.55
  pour cut-out: 39.922,2.85 37.197,2.85 37.197,4.55 39.922,4.55
  pour cut-out: 37.178,26.825 39.903,26.825 39.903,25.125 37.178,25.125
  pour cut-out: 30.278,26.825 33.003,26.825 33.003,25.125 30.278,25.125
  pour cut-out: 1.303,26.825 4.028,26.825 4.028,25.125 1.303,25.125
L4:
  region net VCC1P25_LMS: 1.7,3 1.425,3.275 1.425,3.675 1.75,4 2.05,4 2.25,3.8 2.25,3
  region net VCC1P8_LMS: 21.925,24.225 21.775,24.375 20.675,24.375 20.55,24.25 20.55,23.35 21.075,22.825 21.925,22.825
  region net +2.05V: 16.3,20.775 16.575,21.05 16.575,21.8 15.775,22.6 15.7,22.6 15.325,22.225 15.325,21.05 15.6,20.775
  region net VCC_EXT: 8.1,3.575 8.1,5.625 7.875,5.85 7.675,5.85 7.075,5.25 7.075,3.575
L6:
  region net VCC_EXT: 6.85,5.6 7.375,5.075 7.975,5.075 8.1,5.2 8.1,5.875 7.975,6 7.125,6 6.85,5.725
  region net VCC1P4_LMS: 19.5,8.6 19.675,8.6 20.225,9.15 20.225,9.45 19.875,9.8 19.575,9.8 19.125,9.35 19.125,8.975
  text "A" at -3.025,23.55 h0.7
  text "V" at -2.025,23.55 h0.7
  text "L" at -2.55,22.975 h0.7
  text "D" at -2.775,21.85 h0.7
  text "R" at -2.225,21.85 h0.7
Bottom:
  pour cut-out: 29.207,20.4 28.375,20.4 27.4,21.375 27.4,21.7 27.7,22 27.7,22.05 28.85,22.05 29.2,21.7 ccw(c30.105,22.605) 30.105,21.325 30.475,21.325 ccw(c30.475,23.296) 31.869,21.902 31.923,21.957 cw(c32.873,21.007) 32.873,22.35 35.15,22.35 cw(c35.15,21.95) 35.55,21.95 35.55,19.809 cw(c35.035,19.809) 35.035,19.295 30.312,19.295
  region net GND: 45.603,18.748 45.603,19.575 46.075,19.575 46.075,18.748
  region net GND: 23.25,4.875 23.25,5.8 23.1,5.95 22.425,5.95 22.1,5.625 22.1,5.1 22.45,4.75 23.125,4.75
  pour cut-out: 29.728,21.85 29.728,27.07 26.622,27.07 26.622,21.85
  pour cut-out: 35.503,22.675 35.503,29.325 32.397,29.325 32.397,22.675
  region net +2.05V: 8.325,2.65 8.175,2.5 8.175,0.425 8.35,0.25 9.325,0.25 9.45,0.375 9.45,1.375 9.65,1.575 9.65,2.463 9.213,2.9 8.575,2.9
  region net +1.5V: 7.025,2.775 7.025,1.575 7.475,1.125 7.825,1.125 7.975,1.275 7.975,2.525 7.725,2.775
  region net VCC1P25_LMS: 2.5,4.55 2.7,4.75 3,4.75 3.1,4.85 3.1,5.225 3.05,5.275 2.562,5.275 2.5,5.213
  region net VCC1P25_LMS: 1.425,3.722 1.425,4.325 2.325,5.225 2.7,5.225 2.7,4.9 2.5,4.7 2.5,3.75 2.1,3.35 1.6,3.35
  region net GND: -1.5,10.55 -1.2,10.55 -1.1,10.65 -1.1,10.75 -1.025,10.825 -0.775,10.825 -0.65,10.7 -0.65,10.075 -0.85,9.875 -1.075,9.875 -1.5,10.3
  region net GND: 16.525,0.25 16.325,0.45 16.325,1.15 16.575,1.4 17.275,1.4 17.525,1.15 17.525,0.875 16.9,0.25
  region net GND: 28.7,4.937 28.7,5.763 28.737,5.8 29.55,5.8 29.9,5.45 29.9,5.05 29.65,4.8 28.837,4.8
  region net GND: 9.95,4.8 10.687,4.8 10.825,4.938 10.825,5.775 10.65,5.95 9.9,5.95 9.725,5.775 9.725,5.375 9.825,5.275 9.825,4.925
  pour cut-out: 34.125,3.525 42.25,3.525 42.25,11.25 32.975,11.25 32.975,4.675
  region net VCC3P3_RF: 31,1.35 31.175,1.35 31.625,0.9 31.625,0.45 31.475,0.3 30.35,0.3 29.95,0.7 29.95,0.925 30.375,1.35
  region net VCC3P3: 30.8,3.05 31,3.05 31.275,3.325 31.275,3.8 31.55,4.075 32.075,4.075 32.225,3.925 32.225,2.5 31.925,2.2 31.375,2.2 30.925,1.75 30.75,1.75 30.3,2.2 30.3,2.55
  region net VCC1P0_INT: 21.25,0.8 20.85,0.8 20.625,0.575 19.5,0.575 19.425,0.65 19.425,1.2 20.025,1.8 20.45,1.8 20.775,2.125 20.775,2.2 21.15,2.2 21.475,1.875 21.475,1.025
  region net VCC3P3_RF: 31,1.35 31,0.825 30.7,0.525 30.125,0.525 29.95,0.7 29.95,0.925 30.375,1.35 30.65,1.35
  region net VCC1P0_INT: 17.3,7.35 18.1,7.35 18.275,7.525 18.275,8.6 18.025,8.85 17.2,8.85 17.15,8.8 17.15,7.5
  region net VCC1P8_AUX: 31.45,5.925 31.1,5.575 30.175,5.575 30.025,5.725 30.025,6.15 30.8,6.925 31.55,6.925 32.1,6.375 32.1,6.075 31.95,5.925
  region: 31.35,5.925
  region net GND: 28.7,1.15 28.7,0.35 28.85,0.2 29.725,0.2 29.8,0.275 29.8,1.05 29.9,1.15 29.9,1.25 29.75,1.4 28.95,1.4
  region net GND: 23.2,1.15 23.2,0.375 23.05,0.225 22.225,0.225 22.1,0.35 22.1,1.05 22.1,1.425 22.925,1.425
  pour cut-out: 36.25,18.85 39.861,18.85 39.861,21.956 36.25,21.956
  region net VCC1P0_MGTAVCC: 19.525,2.9 19.875,3.25 20.325,3.25 20.45,3.125 20.45,3.025 20.65,2.825 20.65,2.65 20.5,2.5 19.675,2.5 19.525,2.65
  region: 19.525,2.9
  region net VCC1P8_LMS: 38.8,18.65 39,18.85 39.9,18.85 40.125,18.625 40.125,18.325 40.05,18.25 39.725,18.25 39.525,18.05 39.375,18.05 39.175,18.25 38.975,18.25 38.8,18.425
  region net VCC3P3: 10.657,21.317 10.657,21.432 11.26,22.035 10.461,22.035 10.2,21.774
  region net VCC1P8_AUX: 30.175,5.575 30.025,5.725 30.025,6.15 30.175,6.3 31.05,6.3 31.25,6.1 31.25,5.725 31.1,5.575
  pour cut-out: -3.575,27.7 -1.15,27.7 -1.15,19.5 -3.575,19.5
  pour cut-out: -3.575,2 -1.15,2 -1.15,17.9 -3.575,17.9
  region net VCC1P0_MGTAVCC: 20.575,2.9 19.525,2.9 19.525,2 20.375,2 20.575,2.2
  region net VCC1P2_MGTAVTT: 20.9,5.55
  region net VCC1P2_MGTAVTT: 20.575,5.125 20.875,5.425 20.875,6.026 20.726,6.175 19.75,6.175 19.55,5.975 19.55,3.775 19.975,3.35 20.575,3.35
  region net VCC1P25_LMS: 25.705,6.495 25.875,6.325 27.25,6.325 27.573,6.648 27.075,7.145 25.945,7.145 25.705,6.905
  region net NetC202_2: 5.025,8.425 5.125,8.425 5.65,8.95 5.65,9.975 5.375,10.25 4.35,10.25 4.35,9.1
  region net VCC1P25_LMS: 2.975,3.125 2.85,3.125 2.725,3 1.7,3 1.425,3.275 1.425,3.775 2.05,3.775 2.7,3.775 2.975,3.5
  region net VCC3P3_MPCIE: 0.075,7.275 -0.525,7.875 -0.525,10.375 0.2,11.1 0.525,10.775 0.525,9 0.4,8.875 0.4,8.575 0.525,8.45 0.525,7.725
  region net NetC202_2: 3.85,7.1 4.125,7.1 4.65,7.625 4.65,8.8 4.425,9.025 3.4,9.025 3,9.425 3.825,10.25 4.35,10.25 5.65,8.95 5.65,5.925 5.375,5.65 3.625,5.65 3.425,5.85 3.425,6.675
  region net VCC_EXT: 6.567,8.267 6.475,8.175 6.475,7.5 6.775,7.2 6.775,5.625 7.2,5.2 7.825,5.2 8,5.375 8,6.475 8.2,6.675 8.575,6.675 8.575,7.1 8.4,7.275 8.075,7.275 7.083,8.267
  region net VCC1P25_LMS: 3.225,3.475
  region net NetC202_2: 3.425,5.85 2.8,6.475 2.8,7.025 2.875,7.1 3.85,7.1 4.525,6.425 4.525,5.9 4.475,5.85
  region net VCC3P3_MPCIE: 2.65,6.8 2.65,6.35 2.15,5.85 0.525,5.85 0.075,6.3 0.075,8.25 0.275,8.45 1.875,8.45 2,8.325 2,7.8 1.825,7.625 0.9,7.625 0.75,7.475 0.75,6.775 0.9,6.625 1.925,6.625 2.15,6.85 2.15,7.175 2.4,7.425 2.6,7.425 2.65,7.375
  region net VCC3P3_MPCIE: 2.65,9.975 2.65,9.525 2.15,9.025 0.525,9.025 0.075,9.475 0.075,11.425 0.275,11.625 1.875,11.625 2,11.5 2,10.975 1.825,10.8 0.9,10.8 0.75,10.65 0.75,9.95 0.9,9.8 1.925,9.8 2.15,10.025 2.15,10.35 2.4,10.6 2.6,10.6 2.65,10.55
  region net NetC202_2: 3.425,9.025 2.8,9.65 2.8,10.2 2.875,10.275 3.85,10.275 4.525,9.6 4.525,9.075 4.475,9.025
  region net VCC3P3: 28.4,1.95 28.8,1.55 29.8,1.55 30.75,1.55 30.95,1.75 30.95,2.9 30.8,3.05 28.925,3.05 28.4,2.525
  region net VCC3P3: 26.475,2.525 27.05,1.95 29.75,1.95 29.875,2.075 29.875,2.85 29.675,3.05 27.35,3.05 27.125,2.825 26.875,2.825 26.65,3.05 26.325,3.05 26.175,2.9 26.175,2.675 26.325,2.525
  region net VCC_CLK: 13.05,3.675 12.475,4.25 9.775,4.25 9.65,4.125 9.65,3.35 9.85,3.15 12.175,3.15 12.4,3.375 12.65,3.375 12.875,3.15 13.2,3.15 13.35,3.3 13.35,3.525 13.2,3.675
  region net VCC_CLK: 11.125,4.25 10.725,4.65 9.725,4.65 8.775,4.65 8.575,4.45 8.575,3.3 8.725,3.15 10.6,3.15 11.125,3.675
  region net +2.05V: 11.125,2.35 10.325,1.55 9.725,1.55 8.575,1.55 8.575,2.9 8.725,3.05 10.6,3.05 11.125,2.525
  region net +2.05V: 13.05,2.525 12.475,1.95 9.775,1.95 9.65,2.075 9.65,2.85 9.85,3.05 12.175,3.05 12.4,2.825 12.65,2.825 12.875,3.05 13.2,3.05 13.35,2.9 13.35,2.675 13.2,2.525
  region net NetIC30_F2: 13.325,2.25 13.3,2.225 13.3,1.15 12.8,0.65 11.125,0.65 11.1,0.675 11.1,1.3 11.575,1.775 12.575,1.775 12.875,2.075 12.875,2.2 13.1,2.425 13.175,2.425 13.325,2.275
  region net NetIC30_A2: 13.325,3.95 13.3,3.975 13.3,5.05 12.8,5.55 11.125,5.55 11.1,5.525 11.1,4.9 11.575,4.425 12.575,4.425 12.875,4.125 12.875,4 13.1,3.775 13.175,3.775 13.325,3.925
  region net NetIC30_A4: 13.825,3.95 13.85,3.975 13.85,5.05 14.35,5.55 16.025,5.55 16.05,5.525 16.05,4.9 15.575,4.425 14.575,4.425 14.275,4.125 14.275,4 14.05,3.775 13.975,3.775 13.825,3.925
  region net +1.5V: 14.1,3.675 14.375,3.95 14.375,4.075 14.575,4.275 15.8,4.275 16.15,4.625 17.425,4.625 17.625,4.825 17.625,5 17.75,5.125 18.3,5.125 18.475,4.95 18.475,3.725 17.9,3.15 13.975,3.15 13.825,3.3 13.825,3.6 13.9,3.675
  region net +1.75V: 14.1,2.525 14.375,2.25 14.375,2.125 14.575,1.925 15.8,1.925 16.15,1.575 17.5,1.575 18.025,1.575 18.65,2.2 18.65,2.95 18.55,3.05 13.975,3.05 13.825,2.9 13.825,2.6 13.9,2.525
  region net NetIC30_F4: 13.825,2.25 13.85,2.225 13.85,1.15 14.35,0.65 16.025,0.65 16.05,0.675 16.05,1.3 15.575,1.775 14.575,1.775 14.275,2.075 14.275,2.2 14.05,2.425 13.975,2.425 13.825,2.275
  region net NetIC21_F4: 25.7,3.95 25.675,3.975 25.675,5.05 25.175,5.55 23.5,5.55 23.475,5.525 23.475,4.9 23.95,4.425 24.95,4.425 25.25,4.125 25.25,4 25.475,3.775 25.55,3.775 25.7,3.925
  region net NetC198_2: 25.425,3.675 25.15,3.95 25.15,4.075 24.95,4.275 23.725,4.275 23.375,4.625 22.025,4.625 21.475,5.175 20.775,5.175 20.7,5.1 20.7,3.65 21.2,3.15 25.55,3.15 25.7,3.3 25.7,3.6 25.625,3.675
  region net VCC1P0_INT: 25.425,2.525 25.15,2.25 25.15,2.125 24.95,1.925 23.725,1.925 23.375,1.575 22.025,1.575 21.475,1.025 20.775,1.025 20.7,1.1 20.7,2.55 21.2,3.05 25.55,3.05 25.7,2.9 25.7,2.6 25.625,2.525
  region net NetIC21_A4: 25.7,2.25 25.675,2.225 25.675,1.15 25.175,0.65 23.5,0.65 23.475,0.675 23.475,1.3 23.95,1.775 24.95,1.775 25.25,2.075 25.25,2.2 25.475,2.425 25.55,2.425 25.7,2.275
  region net NetIC21_A2: 26.2,2.25 26.225,2.225 26.225,1.15 26.725,0.65 28.4,0.65 28.425,0.675 28.425,1.3 27.95,1.775 26.95,1.775 26.65,2.075 26.65,2.2 26.425,2.425 26.35,2.425 26.2,2.275
  region net NetIC21_F2: 26.2,3.95 26.225,3.975 26.225,5.05 26.725,5.55 28.4,5.55 28.425,5.525 28.425,4.9 27.95,4.425 26.95,4.425 26.65,4.125 26.65,4 26.425,3.775 26.35,3.775 26.2,3.925
  region net NetC201_2: 26.475,3.675 27.05,4.25 29.75,4.25 29.875,4.125 29.875,3.35 29.675,3.15 27.35,3.15 27.125,3.375 26.875,3.375 26.65,3.15 26.325,3.15 26.175,3.3 26.175,3.525 26.325,3.675
  region net NetC201_2: 28.4,4.25 28.8,4.65 29.8,4.65 30.375,5.225 30.95,5.225 30.95,3.3 30.8,3.15 28.925,3.15 28.4,3.675
MultiLayer:
  pour cut-out: -4,2 -3.575,2 -3.575,17.9 -4,17.9
  pour cut-out: -4,19.5 -3.575,19.5 -3.575,27.7 -4,27.7

## Silkscreen, mask and mechanical layers (free items; w line width, h text height)
TopOverlay:
  lines w0.1: 10.35,6.075 10.075,5.8 10.075,4.65 10.4,4.325
  lines w0.15: 5.15,24.15 5.15,27.425 ; 7.275,19.55 8.825,19.55 ; 7.275,29.55 13.025,29.55 ; 11.475,19.55 13.025,19.55 ; 14.825,4.4 16.15,4.4 ; 15.15,21.675 15.15,27.425
  lines w0.25: -0.1,27.896 -0.1,26.371 ; 15.775,25.1 15.775,23.575 ; 24.25,25.675 24.25,23.575 ; -0.1,26.371 0.183,27.221 -0.383,27.221 -0.1,26.371 ; 15.775,23.575 15.492,24.425 16.058,24.425 15.775,23.575 ; 24.25,23.575 23.967,24.425 24.533,24.425 24.25,23.575 ; 23.967,25.025 24.533,25.025 24.25,25.875 23.967,25.025
  lines w0.3: 35.1,26.275 35.1,27.963 ; 35.229,1.6 35.229,3.088 ; 35.1,27.963 35.442,26.938 34.758,26.938 35.1,27.963 ; 35.229,3.088 34.888,2.063 35.571,2.063 35.229,3.088
  text "IN" at 3.475,28.325 h0.7
  text "IN" at 18.325,28.3 h0.7
  text "1" at -1.2,26.25 h0.55
  text "TX" at 33.975,24.45 h1
  text "PPS" at 16.275,23.8 h0.8
  text "CLK" at 21.15,23.8 h0.8
  text "A" at 32.625,23.75 h1
  text "B" at 36.25,23.725 h1
  text "ANT" at 0,23.619 h0.8 r90
  text "GNSS" at 0,19.811 h0.8 r90
  text "17" at -1.2,16.625 h0.55
  text "SDR" at 26.768,14.75 h1.5 r90
  text "Lime" at 25.25,12.4 h1.5 r90
  text "XTRX" at 27.925,12.4 h1.5 r90
  text "v1.1" at 29.075,12.4 h1.5 r90
  text "mPCIe" at -0.025,7.95 h0.8 r90
  text "FPGA" at 24.775,6.7 h0.55
  text "PROG" at 24.775,5.875 h0.55
  text "B" at 27.225,5.875 h0.55
  text "50" at -1.2,3 h0.55
  text "B" at 33.625,2.825 h1
  text "A" at 35.475,2.825 h1
  text "RX" at 33.975,-0.225 h1
BottomOverlay:
  drawing of 236 lines, arcs and shapes, not listed
  text "TDO" at 9.575,27.75 h0.5 r270
  text "GND" at 10.55,27.75 h0.5 r270
  text "TDI" at 9.575,26.075 h0.5 r270
  text "TCK" at 10.525,26.025 h0.5 r270
  text "TMS" at 9.575,24.375 h0.5 r270
  text "3P3" at 10.5,24.375 h0.5 r270
  text "GPIO" at -1.2,24.3 h0.8 r270
  text "JTAG" at 12.575,23.225 h0.8
  text "16" at 0.15,20.2 h0.55
  text "18" at 0.15,16.625 h0.55
  text "DAC" at 46.4,14.65 h0.7
  text "ADC" at 46.4,13.725 h0.7
  text "BB" at 42.825,13.6 h0.8 r270
  text "LMS7002M" at 21.966,11.525 h0.8 r270
  text "mPCIe" at -1.15,9.701 h0.8 r270
  text "Lime" at 22.625,7.3 h1.5
  text "-" at 19.3,6.261 h1.5
  text "XTRX" at 19.025,6.1 h1.5
  text "SDR" at 22.15,6.1 h1.5
  text "v1.1" at 21.25,4.975 h1.5
  text "52" at 0.175,2.65 h0.55